# Allegro board pc065c_fibv2_toplevel_13_fix.brd (continued)
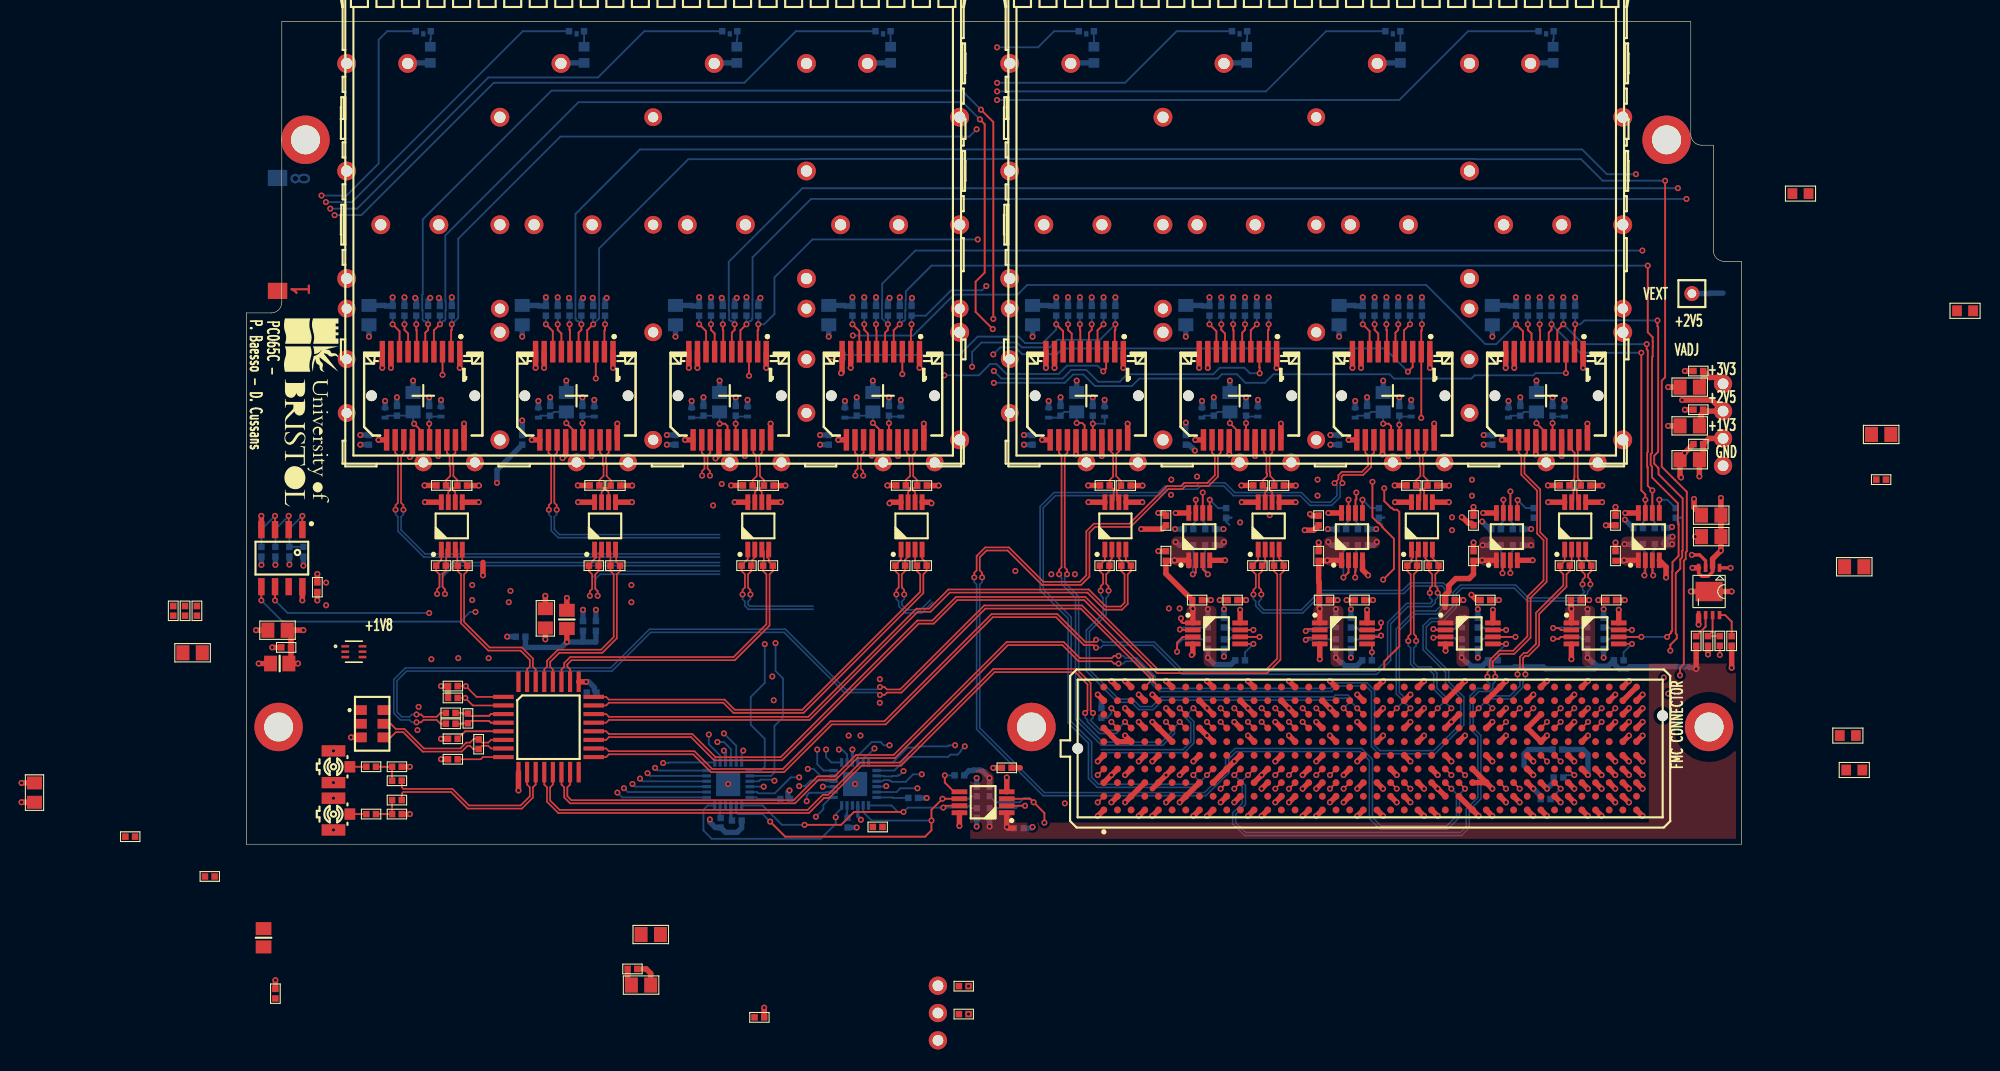
[diagram p0: board, top side]
## Routing (per net, layer and track width the routed paths; a pad name or vN(x,y) marks a point on that pad's centre or on a via; arc(x,y) is an arc through that point) (continued)
  L7_GND w0.5: 137.3,34.16 J40.1 ; J40.1 137.3,36.22 ; J40.1 136.27,35.19 ; J40.1 138.08,35.97 ; J40.1 136.52,34.41 ; J40.1 138.08,34.41 ; J40.1 136.52,35.97 ; 110.39,35.5 SFP2.43 ; SFP2.43 110.64,34.74 ; SFP2.43 111.4,36.51 ; SFP2.43 112.16,36.26 ; SFP2.43 112.16,34.74 ; SFP2.43 110.64,36.26 ; SFP2.43 111.4,34.49 ; SFP2.43 112.41,35.5 ; SFP2.15 88.4,58.66 ; SFP2.15 89.45,57.6 ; SFP2.15 87.6,58.4 ; SFP2.15 89.2,56.8 ; SFP2.15 87.6,56.8 ; SFP2.15 89.2,58.4 ; SFP2.15 87.34,57.6 ; SFP2.15 88.4,56.55 ; 84.22,49.8 SFP2.25 ; SFP2.25 86.23,49.8 ; SFP2.25 85.99,50.56 ; SFP2.25 84.46,50.56 ; SFP2.25 85.22,50.8 ; SFP2.25 85.99,49.04 ; SFP2.25 84.46,49.04 ; SFP2.25 85.22,48.8 ; SFP1.3 29.25,73.66 ; SFP1.3 30.05,73.4 ; SFP1.3 30.05,71.8 ; SFP1.3 28.45,71.8 ; SFP1.3 30.3,72.6 ; SFP1.3 28.2,72.6 ; SFP1.3 28.45,73.4 ; SFP1.3 29.25,71.55 ; SFP1.28 67.09,49.04 ; SFP1.28 65.56,50.56 ; SFP1.28 65.32,49.8 ; SFP1.28 65.56,49.04 ; SFP1.28 67.09,50.56 ; SFP1.28 67.33,49.8 ; SFP1.28 66.33,50.8 ; SFP1.28 66.33,48.8 ; SFP1.35 52.84,39.34 ; SFP1.35 51.07,40.1 ; SFP1.35 53.08,40.1 ; SFP1.35 51.31,40.86 ; SFP1.35 52.08,41.1 ; SFP1.35 52.08,39.09 ; SFP1.35 51.31,39.34 ; SFP1.35 52.84,40.86 ; SFP1.25 24.34,50.56 ; SFP1.25 22.81,49.04 ; SFP1.25 22.81,50.56 ; SFP1.25 24.58,49.8 ; SFP1.25 22.57,49.8 ; SFP1.25 23.57,50.8 ; SFP1.25 24.34,49.04 ; SFP1.25 23.57,48.8 ; 45.6,58.4 SFP1.19 ; SFP1.19 47.2,56.8 ; SFP1.19 46.4,56.55 ; SFP1.19 45.34,57.6 ; SFP1.19 45.6,56.8 ; SFP1.19 47.45,57.6 ; SFP1.19 46.4,58.66 ; SFP1.19 47.2,58.4 ; 9.32,71.55 9.32,72.6 ; 9.32,72.6 8.53,73.4 ; 9.32,72.6 9.32,73.66 ; 9.32,72.6 10.12,71.8 ; 9.32,72.6 10.38,72.6 ; 9.32,72.6 8.27,72.6 ; 9.32,72.6 10.12,73.4 ; 9.32,72.6 8.53,71.8 ; 70.97,39.09 SFP2.34 ; SFP2.34 71.74,40.86 ; SFP2.34 71.98,40.1 ; SFP2.34 71.74,39.34 ; SFP2.34 70.97,41.1 ; SFP2.34 70.21,40.86 ; SFP2.34 70.21,39.34 ; SFP2.34 69.97,40.1 ; SFP2.14 86.02,58.4 ; SFP2.14 86.28,57.6 ; SFP2.14 84.43,56.8 ; SFP2.14 85.22,58.66 ; SFP2.14 84.17,57.6 ; SFP2.14 85.22,56.55 ; SFP2.14 84.43,58.4 ; SFP2.14 86.02,56.8 ; SFP2.18 103.45,58.4 ; SFP2.18 102.65,56.55 ; SFP2.18 103.45,56.8 ; SFP2.18 101.59,57.6 ; SFP2.18 101.85,56.8 ; SFP2.18 102.65,58.66 ; SFP2.18 103.7,57.6 ; SFP2.18 101.85,58.4 ; SFP1.9 67.12,66.8 ; SFP1.9 65.53,66.8 ; SFP1.9 65.53,68.4 ; SFP1.9 67.38,67.6 ; SFP1.9 66.33,68.66 ; SFP1.9 66.33,66.55 ; SFP1.9 67.12,68.4 ; SFP1.9 65.27,67.6 ; 127.18,38.4 SFP2.46 ; SFP2.46 127.97,36.55 ; SFP2.46 128.77,38.4 ; SFP2.46 129.03,37.6 ; SFP2.46 127.18,36.8 ; SFP2.46 127.97,38.66 ; SFP2.46 126.92,37.6 ; SFP2.46 128.77,36.8 ; SFP2.10 71.77,63.4 ; SFP2.10 70.97,61.55 ; SFP2.10 70.18,63.4 ; SFP2.10 71.77,61.8 ; SFP2.10 70.18,61.8 ; SFP2.10 72.03,62.6 ; SFP2.10 70.97,63.66 ; SFP2.10 69.92,62.6 ; SFP1.39 31.46,34.74 ; SFP1.39 29.94,36.26 ; SFP1.39 29.94,34.74 ; SFP1.39 30.7,36.51 ; SFP1.39 30.7,34.49 ; SFP1.39 31.46,36.26 ; SFP1.39 31.7,35.5 ; SFP1.39 29.7,35.5 ; SFP2.20 117.95,57.6 ; SFP2.20 116.9,58.66 ; SFP2.20 115.84,57.6 ; SFP2.20 117.7,56.8 ; SFP2.20 116.9,56.55 ; SFP2.20 116.1,58.4 ; SFP2.20 117.7,58.4 ; SFP2.20 116.1,56.8 ; SFP2.31 99.47,48.6 ; SFP2.31 100.48,47.6 ; SFP2.31 98.47,47.6 ; SFP2.31 99.47,46.59 ; SFP2.31 100.24,48.36 ; SFP2.31 98.71,48.36 ; SFP2.31 98.71,46.84 ; SFP2.31 100.24,46.84 ; 9.32,52.6 10.12,53.4 ; 9.32,52.6 10.38,52.6 ; 9.32,52.6 9.32,51.55 ; 9.32,52.6 8.53,53.4 ; 9.32,52.6 8.53,51.8 ; 9.32,52.6 10.12,51.8 ; 9.32,52.6 9.32,53.66 ; 9.32,52.6 8.27,52.6 ; 112.93,53.4 SFP2.27 ; SFP2.27 113.72,53.66 ; SFP2.27 112.93,51.8 ; SFP2.27 114.52,51.8 ; SFP2.27 114.78,52.6 ; SFP2.27 114.52,53.4 ; SFP2.27 113.72,51.55 ; SFP2.27 112.67,52.6 ; SFP2.7 85.22,68.66 ; SFP2.7 84.17,67.6 ; SFP2.7 84.43,68.4 ; SFP2.7 86.02,68.4 ; SFP2.7 86.02,66.8 ; SFP2.7 84.43,66.8 ; SFP2.7 85.22,66.55 ; SFP2.7 86.28,67.6 ; 120.09,34.74 SFP2.44 ; SFP2.44 120.85,36.51 ; SFP2.44 120.85,34.49 ; SFP2.44 121.61,34.74 ; SFP2.44 121.61,36.26 ; SFP2.44 119.84,35.5 ; SFP2.44 120.09,36.26 ; SFP2.44 121.86,35.5 ; 78.5,57.6 SFP2.13 ; SFP2.13 80.35,56.8 ; SFP2.13 80.35,58.4 ; SFP2.13 79.55,58.66 ; SFP2.13 78.75,56.8 ; SFP2.13 80.61,57.6 ; SFP2.13 79.55,56.55 ; SFP2.13 78.75,58.4 ; 62.99,35.5 SFP1.45 ; SFP1.45 65,35.5 ; SFP1.45 64,34.49 ; SFP1.45 63.24,36.26 ; SFP1.45 64,36.51 ; SFP1.45 64.76,36.26 ; SFP1.45 64.76,34.74 ; SFP1.45 63.24,34.74 ; SFP2.26 113.72,50.8 ; SFP2.26 114.49,49.04 ; SFP2.26 114.49,50.56 ; SFP2.26 113.72,48.8 ; SFP2.26 112.72,49.8 ; SFP2.26 112.96,50.56 ; SFP2.26 114.73,49.8 ; SFP2.26 112.96,49.04 ; SFP2.22 128.77,56.8 ; SFP2.22 129.03,57.6 ; SFP2.22 127.18,58.4 ; SFP2.22 127.97,56.55 ; SFP2.22 128.77,58.4 ; SFP2.22 127.97,58.66 ; SFP2.22 127.18,56.8 ; SFP2.22 126.92,57.6 ; 54.45,56.8 SFP1.20 ; SFP1.20 54.45,58.4 ; SFP1.20 56.05,58.4 ; SFP1.20 55.25,58.66 ; SFP1.20 56.05,56.8 ; SFP1.20 56.3,57.6 ; SFP1.20 54.2,57.6 ; SFP1.20 55.25,56.55 ; SFP2.38 86.02,36.8 ; SFP2.38 84.43,36.8 ; SFP2.38 86.28,37.6 ; SFP2.38 86.02,38.4 ; SFP2.38 85.22,36.55 ; SFP2.38 84.43,38.4 ; SFP2.38 85.22,38.66 ; SFP2.38 84.17,37.6 ; 56.95,73.4 SFP1.6 ; SFP1.6 57.75,73.66 ; SFP1.6 57.75,71.55 ; SFP1.6 58.55,71.8 ; SFP1.6 58.8,72.6 ; SFP1.6 56.7,72.6 ; SFP1.6 58.55,73.4 ; SFP1.6 56.95,71.8 ; SFP2.36 79.11,35.5 ; SFP2.36 77.34,36.26 ; SFP2.36 78.86,34.74 ; SFP2.36 77.34,34.74 ; SFP2.36 78.1,36.51 ; SFP2.36 78.86,36.26 ; SFP2.36 78.1,34.49 ; SFP2.36 77.09,35.5 ; 112.96,40.86 SFP2.35 ; SFP2.35 112.72,40.1 ; SFP2.35 114.49,39.34 ; SFP2.35 113.72,41.1 ; SFP2.35 114.49,40.86 ; SFP2.35 112.96,39.34 ; SFP2.35 113.72,39.09 ; SFP2.35 114.73,40.1 ; 126.92,67.6 SFP2.9 ; SFP2.9 129.03,67.6 ; SFP2.9 127.97,66.55 ; SFP2.9 127.18,68.4 ; SFP2.9 128.77,68.4 ; SFP2.9 128.77,66.8 ; SFP2.9 127.97,68.66 ; SFP2.9 127.18,66.8 ; SFP1.27 52.08,53.66 ; SFP1.27 52.08,51.55 ; SFP1.27 51.02,52.6 ; SFP1.27 52.87,53.4 ; SFP1.27 52.87,51.8 ; SFP1.27 53.13,52.6 ; SFP1.27 51.28,51.8 ; SFP1.27 51.28,53.4 ; 96.14,35.5 SFP2.41 ; SFP2.41 97.15,36.51 ; SFP2.41 97.15,34.49 ; SFP2.41 96.39,34.74 ; SFP2.41 97.91,36.26 ; SFP2.41 97.91,34.74 ; SFP2.41 96.39,36.26 ; SFP2.41 98.16,35.5 ; SFP1.37 22.01,36.26 ; SFP1.37 22.01,34.74 ; SFP1.37 20.49,36.26 ; SFP1.37 20.25,35.5 ; SFP1.37 20.49,34.74 ; SFP1.37 21.25,36.51 ; SFP1.37 22.25,35.5 ; SFP1.37 21.25,34.49 ; 17.9,56.55 SFP1.13 ; SFP1.13 17.1,58.4 ; SFP1.13 17.1,56.8 ; SFP1.13 18.95,57.6 ; SFP1.13 16.84,57.6 ; SFP1.13 18.7,58.4 ; SFP1.13 18.7,56.8 ; SFP1.13 17.9,58.66 ; SFP1.26 52.84,50.56 ; SFP1.26 51.31,50.56 ; SFP1.26 51.31,49.04 ; SFP1.26 51.07,49.8 ; SFP1.26 52.08,48.8 ; SFP1.26 52.84,49.04 ; SFP1.26 52.08,50.8 ; SFP1.26 53.08,49.8 ; 37.83,36.59 SFP1.40 ; SFP1.40 37.06,38.36 ; SFP1.40 37.06,36.84 ; SFP1.40 37.83,38.6 ; SFP1.40 36.82,37.6 ; SFP1.40 38.59,38.36 ; 98.71,66.84 SFP2.8 ; SFP2.8 99.47,68.61 ; SFP2.8 99.47,66.59 ; SFP2.8 98.71,68.36 ; SFP2.8 98.47,67.6 ; SFP2.8 100.48,67.6 ; SFP2.8 100.24,68.36 ; SFP2.8 100.24,66.84 ; 51.02,62.6 SFP1.11 ; SFP1.11 53.13,62.6 ; SFP1.11 51.28,63.4 ; SFP1.11 52.08,61.55 ; SFP1.11 52.87,63.4 ; SFP1.11 51.28,61.8 ; SFP1.11 52.08,63.66 ; SFP1.11 52.87,61.8 ; 8.53,63.4 9.32,62.6 ; 9.32,62.6 8.27,62.6 ; 9.32,62.6 9.32,63.66 ; 9.32,62.6 10.38,62.6 ; 9.32,62.6 10.12,61.8 ; 9.32,62.6 10.12,63.4 ; 9.32,62.6 9.32,61.55 ; 9.32,62.6 8.53,61.8 ; 31.09,57.6 SFP1.16 ; SFP1.16 32.15,58.66 ; SFP1.16 32.95,58.4 ; SFP1.16 33.2,57.6 ; SFP1.16 31.35,58.4 ; SFP1.16 32.95,56.8 ; SFP1.16 31.35,56.8 ; SFP1.16 32.15,56.55 ; 25.95,56.8 SFP1.15 ; SFP1.15 27.55,56.8 ; SFP1.15 26.75,56.55 ; SFP1.15 25.95,58.4 ; SFP1.15 26.75,58.66 ; SFP1.15 27.55,58.4 ; SFP1.15 25.7,57.6 ; SFP1.15 27.8,57.6 ; SFP2.40 100.24,38.36 ; SFP2.40 99.47,38.6 ; SFP2.40 99.47,36.59 ; SFP2.40 98.71,36.84 ; SFP2.40 98.71,38.36 ; SFP2.40 98.47,37.6 ; SFP2.4 106.2,72.6 ; SFP2.4 105.15,73.66 ; SFP2.4 105.95,71.8 ; SFP2.4 104.09,72.6 ; SFP2.4 104.35,71.8 ; SFP2.4 104.35,73.4 ; SFP2.4 105.95,73.4 ; SFP2.4 105.15,71.55 ; SFP1.8 38.59,66.84 ; SFP1.8 37.06,68.36 ; SFP1.8 37.83,68.61 ; SFP1.8 38.83,67.6 ; SFP1.8 38.59,68.36 ; SFP1.8 36.82,67.6 ; SFP1.8 37.83,66.59 ; SFP1.8 37.06,66.84 ; SFP1.42 45.95,35.5 ; SFP1.42 44.19,36.26 ; SFP1.42 44.95,36.51 ; SFP1.42 45.71,36.26 ; SFP1.42 43.95,35.5 ; SFP1.42 44.95,34.49 ; SFP1.42 44.19,34.74 ; SFP1.42 45.71,34.74 ; 73.09,57.6 SFP2.12 ; SFP2.12 74.15,56.55 ; SFP2.12 74.15,58.66 ; SFP2.12 74.95,58.4 ; SFP2.12 73.35,56.8 ; SFP2.12 75.2,57.6 ; SFP2.12 74.95,56.8 ; SFP2.12 73.35,58.4 ; 76.65,71.55 SFP2.2 ; SFP2.2 76.65,73.66 ; SFP2.2 77.7,72.6 ; SFP2.2 77.45,71.8 ; SFP2.2 75.85,73.4 ; SFP2.2 75.59,72.6 ; SFP2.2 77.45,73.4 ; SFP2.2 75.85,71.8 ; 70.21,49.04 SFP2.23 ; SFP2.23 70.21,50.56 ; SFP2.23 71.74,50.56 ; SFP2.23 71.74,49.04 ; SFP2.23 71.98,49.8 ; SFP2.23 70.97,48.8 ; SFP2.23 69.97,49.8 ; SFP2.23 70.97,50.8 ; 66.33,46.55 SFP1.33 ; SFP1.33 67.12,46.8 ; SFP1.33 65.53,48.4 ; SFP1.33 67.38,47.6 ; SFP1.33 65.27,47.6 ; SFP1.33 66.33,48.66 ; SFP1.33 65.53,46.8 ; SFP1.33 67.12,48.4 ; 58.2,35.5 SFP1.44 ; SFP1.44 59.2,34.49 ; SFP1.44 59.2,36.51 ; SFP1.44 59.96,36.26 ; SFP1.44 58.44,36.26 ; SFP1.44 59.96,34.74 ; SFP1.44 60.2,35.5 ; SFP1.44 58.44,34.74 ; 90.1,73.4 SFP2.3 ; SFP2.3 91.7,71.8 ; SFP2.3 89.84,72.6 ; SFP2.3 91.95,72.6 ; SFP2.3 90.1,71.8 ; SFP2.3 91.7,73.4 ; SFP2.3 90.9,73.66 ; SFP2.3 90.9,71.55 ; SFP1.21 61.45,56.8 ; SFP1.21 60.65,56.55 ; SFP1.21 59.85,56.8 ; SFP1.21 59.59,57.6 ; SFP1.21 61.7,57.6 ; SFP1.21 61.45,58.4 ; SFP1.21 59.85,58.4 ; SFP1.21 60.65,58.66 ; 9.32,40.1 10.09,40.86 ; 9.32,40.1 8.56,40.86 ; 9.32,40.1 8.56,39.34 ; 9.32,40.1 10.33,40.1 ; 9.32,40.1 9.32,41.1 ; 9.32,40.1 10.09,39.34 ; 9.32,40.1 8.32,40.1 ; 9.32,40.1 9.32,39.09 ; 113.72,71.55 SFP2.5 ; SFP2.5 112.67,72.6 ; SFP2.5 113.72,73.66 ; SFP2.5 112.93,71.8 ; SFP2.5 114.52,71.8 ; SFP2.5 114.52,73.4 ; SFP2.5 114.78,72.6 ; SFP2.5 112.93,73.4 ; SFP1.41 36.26,34.74 ; SFP1.41 34.49,35.5 ; SFP1.41 36.26,36.26 ; SFP1.41 34.74,34.74 ; SFP1.41 34.74,36.26 ; SFP1.41 35.5,34.49 ; SFP1.41 36.51,35.5 ; SFP1.41 35.5,36.51 ; 107.25,58.4 SFP2.19 ; SFP2.19 107.25,56.8 ; SFP2.19 107,57.6 ; SFP2.19 108.05,58.66 ; SFP2.19 109.11,57.6 ; SFP2.19 108.85,58.4 ; SFP2.19 108.85,56.8 ; SFP2.19 108.05,56.55 ; SFP2.42 107.61,35.5 ; SFP2.42 105.84,36.26 ; SFP2.42 106.6,34.49 ; SFP2.42 105.59,35.5 ; SFP2.42 107.36,36.26 ; SFP2.42 105.84,34.74 ; SFP2.42 107.36,34.74 ; SFP2.42 106.6,36.51 ; 69.92,52.6 SFP2.24 ; SFP2.24 70.97,51.55 ; SFP2.24 70.18,53.4 ; SFP2.24 71.77,53.4 ; SFP2.24 72.03,52.6 ; SFP2.24 71.77,51.8 ; SFP2.24 70.97,53.66 ; SFP2.24 70.18,51.8 ; SFP1.17 38.83,57.6 ; SFP1.17 36.82,57.6 ; SFP1.17 37.83,58.6 ; SFP1.17 37.06,58.36 ; SFP1.17 38.59,56.84 ; SFP1.17 38.59,58.36 ; SFP1.17 37.83,56.59 ; SFP1.17 37.06,56.84 ; 42.7,71.8 SFP1.4 ; SFP1.4 44.3,71.8 ; SFP1.4 42.45,72.6 ; SFP1.4 43.5,71.55 ; SFP1.4 44.3,73.4 ; SFP1.4 43.5,73.66 ; SFP1.4 42.7,73.4 ; SFP1.4 44.55,72.6 ; 9.32,45.1 10.33,45.1 ; 9.32,45.1 8.56,45.86 ; 9.32,45.1 10.09,44.34 ; 9.32,45.1 9.32,44.09 ; 9.32,45.1 8.32,45.1 ; 9.32,45.1 10.09,45.86 ; 9.32,45.1 9.32,46.1 ; 9.32,45.1 8.56,44.34 ; SFP1.31 38.59,48.36 ; SFP1.31 37.83,48.6 ; SFP1.31 36.82,47.6 ; SFP1.31 38.83,47.6 ; SFP1.31 37.06,48.36 ; SFP1.31 37.83,46.59 ; SFP1.31 38.59,46.84 ; SFP1.31 37.06,46.84 ; SFP1.18 41,58.66 ; SFP1.18 41.8,56.8 ; SFP1.18 42.05,57.6 ; SFP1.18 40.2,56.8 ; SFP1.18 40.2,58.4 ; SFP1.18 39.95,57.6 ; SFP1.18 41,56.55 ; SFP1.18 41.8,58.4 ; 66.33,56.55 SFP1.22 ; SFP1.22 65.53,56.8 ; SFP1.22 65.53,58.4 ; SFP1.22 67.12,58.4 ; SFP1.22 67.38,57.6 ; SFP1.22 66.33,58.66 ; SFP1.22 65.27,57.6 ; SFP1.22 67.12,56.8 ; 127.21,50.56 SFP2.28 ; SFP2.28 128.98,49.8 ; SFP2.28 128.74,50.56 ; SFP2.28 127.97,50.8 ; SFP2.28 127.97,48.8 ; SFP2.28 126.97,49.8 ; SFP2.28 128.74,49.04 ; SFP2.28 127.21,49.04 ; 112.67,62.6 SFP2.11 ; SFP2.11 114.78,62.6 ; SFP2.11 114.52,63.4 ; SFP2.11 113.72,63.66 ; SFP2.11 113.72,61.55 ; SFP2.11 112.93,63.4 ; SFP2.11 114.52,61.8 ; SFP2.11 112.93,61.8 ; SFP1.32 53.08,45.1 ; SFP1.32 51.31,44.34 ; SFP1.32 52.08,46.1 ; SFP1.32 52.84,45.86 ; SFP1.32 52.08,44.09 ; SFP1.32 52.84,44.34 ; SFP1.32 51.07,45.1 ; SFP1.32 51.31,45.86 ; 112.96,45.86 SFP2.32 ; SFP2.32 114.49,44.34 ; SFP2.32 112.96,44.34 ; SFP2.32 112.72,45.1 ; SFP2.32 113.72,46.1 ; SFP2.32 113.72,44.09 ; SFP2.32 114.73,45.1 ; SFP2.32 114.49,45.86 ; SFP2.30 85.22,48.66 ; SFP2.30 85.22,46.55 ; SFP2.30 86.02,48.4 ; SFP2.30 86.02,46.8 ; SFP2.30 84.17,47.6 ; SFP2.30 86.28,47.6 ; SFP2.30 84.43,48.4 ; SFP2.30 84.43,46.8 ; 125.65,34.49 SFP2.45 ; SFP2.45 124.64,35.5 ; SFP2.45 126.41,34.74 ; SFP2.45 124.89,34.74 ; SFP2.45 125.65,36.51 ; SFP2.45 126.41,36.26 ; SFP2.45 126.66,35.5 ; SFP2.45 124.89,36.26 ; 9.32,49.8 10.09,50.56 ; 9.32,49.8 10.33,49.8 ; 9.32,49.8 8.56,49.04 ; 9.32,49.8 8.32,49.8 ; 9.32,49.8 8.56,50.56 ; 9.32,49.8 9.32,50.8 ; 9.32,49.8 9.32,48.8 ; 9.32,49.8 10.09,49.04 ; SFP1.30 23.57,48.66 ; SFP1.30 22.78,48.4 ; SFP1.30 24.37,46.8 ; SFP1.30 23.57,46.55 ; SFP1.30 24.37,48.4 ; SFP1.30 24.63,47.6 ; SFP1.30 22.78,46.8 ; SFP1.30 22.52,47.6 ; 51.28,73.4 SFP1.5 ; SFP1.5 53.13,72.6 ; SFP1.5 51.28,71.8 ; SFP1.5 51.02,72.6 ; SFP1.5 52.87,73.4 ; SFP1.5 52.87,71.8 ; SFP1.5 52.08,71.55 ; SFP1.5 52.08,73.66 ; SFP1.43 50.76,35.5 ; SFP1.43 48.99,36.26 ; SFP1.43 48.99,34.74 ; SFP1.43 50.51,36.26 ; SFP1.43 49.75,36.51 ; SFP1.43 48.74,35.5 ; SFP1.43 49.75,34.49 ; SFP1.43 50.51,34.74 ; SFP2.33 127.97,48.66 ; SFP2.33 127.18,46.8 ; SFP2.33 127.18,48.4 ; SFP2.33 126.92,47.6 ; SFP2.33 128.77,48.4 ; SFP2.33 127.97,46.55 ; SFP2.33 128.77,46.8 ; SFP2.33 129.03,47.6 ; SFP2.39 92.35,36.51 ; SFP2.39 91.59,36.26 ; SFP2.39 93.11,34.74 ; SFP2.39 93.11,36.26 ; SFP2.39 93.36,35.5 ; SFP2.39 91.59,34.74 ; SFP2.39 91.34,35.5 ; SFP2.39 92.35,34.49 ; SFP1.38 24.37,36.8 ; SFP1.38 23.57,38.66 ; SFP1.38 22.78,36.8 ; SFP1.38 22.78,38.4 ; SFP1.38 22.52,37.6 ; SFP1.38 23.57,36.55 ; SFP1.38 24.37,38.4 ; SFP1.38 24.63,37.6 ; SFP1.12 12.5,58.66 ; SFP1.12 13.3,58.4 ; SFP1.12 11.7,56.8 ; SFP1.12 12.5,56.55 ; SFP1.12 13.3,56.8 ; SFP1.12 11.7,58.4 ; SFP1.12 13.55,57.6 ; SFP1.12 11.45,57.6 ; 118.6,73.4 SFP2.6 ; SFP2.6 119.4,71.55 ; SFP2.6 119.4,73.66 ; SFP2.6 120.45,72.6 ; SFP2.6 118.34,72.6 ; SFP2.6 120.2,73.4 ; SFP2.6 120.2,71.8 ; SFP2.6 118.6,71.8 ; 15.45,35.5 SFP1.36 ; SFP1.36 15.69,34.74 ; SFP1.36 17.45,35.5 ; SFP1.36 15.69,36.26 ; SFP1.36 17.21,34.74 ; SFP1.36 16.45,36.51 ; SFP1.36 17.21,36.26 ; SFP1.36 16.45,34.49 ; SFP1.46 67.12,36.8 ; SFP1.46 66.33,38.66 ; SFP1.46 65.53,38.4 ; SFP1.46 65.53,36.8 ; SFP1.46 67.38,37.6 ; SFP1.46 65.27,37.6 ; SFP1.46 67.12,38.4 ; SFP1.46 66.33,36.55 ; SFP2.21 123.1,58.4 ; SFP2.21 123.1,56.8 ; SFP2.21 123.36,57.6 ; SFP2.21 121.5,56.8 ; SFP2.21 121.25,57.6 ; SFP2.21 122.3,58.66 ; SFP2.21 121.5,58.4 ; SFP2.21 122.3,56.55 ; SFP1.2 15,73.66 ; SFP1.2 14.2,71.8 ; SFP1.2 15.8,73.4 ; SFP1.2 15.8,71.8 ; SFP1.2 13.95,72.6 ; SFP1.2 15,71.55 ; SFP1.2 16.05,72.6 ; SFP1.2 14.2,73.4 ; 70.97,44.09 SFP2.29 ; SFP2.29 70.97,46.1 ; SFP2.29 70.21,44.34 ; SFP2.29 71.98,45.1 ; SFP2.29 70.21,45.86 ; SFP2.29 71.74,45.86 ; SFP2.29 71.74,44.34 ; SFP2.16 94.6,56.8 ; SFP2.16 92.75,57.6 ; SFP2.16 93.8,56.55 ; SFP2.16 93,56.8 ; SFP2.16 94.6,58.4 ; SFP2.16 94.86,57.6 ; SFP2.16 93.8,58.66 ; SFP2.16 93,58.4 ; 98.47,57.6 SFP2.17 ; SFP2.17 99.47,58.6 ; SFP2.17 100.24,56.84 ; SFP2.17 99.47,56.59 ; SFP2.17 100.24,58.36 ; SFP2.17 100.48,57.6 ; SFP2.17 98.71,58.36 ; SFP2.17 98.71,56.84 ; 22.52,57.6 SFP1.14 ; SFP1.14 24.37,56.8 ; SFP1.14 22.78,58.4 ; SFP1.14 23.57,56.55 ; SFP1.14 22.78,56.8 ; SFP1.14 24.63,57.6 ; SFP1.14 24.37,58.4 ; SFP1.14 23.57,58.66 ; SFP1.7 24.63,67.6 ; SFP1.7 22.78,66.8 ; SFP1.7 22.78,68.4 ; SFP1.7 24.37,68.4 ; SFP1.7 22.52,67.6 ; SFP1.7 24.37,66.8 ; SFP1.7 23.57,66.55 ; SFP1.7 23.57,68.66 ; 81.89,35.5 SFP2.37 ; SFP2.37 83.66,34.74 ; SFP2.37 82.14,34.74 ; SFP2.37 82.9,34.49 ; SFP2.37 82.14,36.26 ; SFP2.37 82.9,36.51 ; SFP2.37 83.91,35.5 ; SFP2.37 83.66,36.26 ; SFP2.1 70.97,73.66 ; SFP2.1 71.77,73.4 ; SFP2.1 72.03,72.6 ; SFP2.1 70.18,73.4 ; SFP2.1 70.18,71.8 ; SFP2.1 71.77,71.8 ; SFP2.1 70.97,71.55 ; SFP2.1 69.92,72.6
  BOTTOM w0.3: IC23.9 44.55,8.55 v1(44.4,8.7) ; IC10.9 v1(56.35,8.8)
  BOTTOM w0.5: R15.1 79.5,13.57 v1(79.16,13.91) ; C59.1 v1(115.05,38.05) ; C63.1 v1(118.45,41.55) ; C49.1 v1(42.5,41.55) ; C69.1 v1(87.35,39.2) ; C54.1 v1(56.75,41.55) ; R32.1 v1(56.75,1.55) ; C11.1 v1(31.3,21.8) ; C62.1 v1(119.95,43.1) ; C65.1 v1(101.6,47.2) ; C66.1 v1(107.2,41.55) ; R64.2 119.45,72.65 SFP2.6 ; C52.1 v1(59.75,41.55) ; R202.2 v1(4,26) ; C70.1 v1(87.35,47.2) ; C64.1 v1(100.8,38.05) ; SFP1.4 43.55,72.65 R58.2 ; R60.2 76.7,72.65 SFP2.2 ; SFP1.2 15.05,72.65 R30.2 ; C9.1 32.36,14.29 32.36,14.57 31.83,15.1 v1(31.6,15.1) ; R20.1 121.55,5.78 v1(120.93,5.16) ; C32.1 v1(11.4,47.2) ; R204.2 v1(2.7,25.97) ; C61.1 v1(121.45,41.55) ; R16.1 120.35,4.47 v1(119.66,5.16) ; R33.2 29.3,72.65 SFP1.3 ; C75.1 v1(73.1,47.2) ; C35.1 v1(14,41.55) ; C76.1 v1(78.7,41.55) ; C48.1 v1(44,43.1) ; C71.1 v1(92.95,41.55) ; R61.2 90.95,72.65 SFP2.3 ; C73.1 v1(89.95,41.55) ; C51.1 v1(54.15,47.2) ; C43.1 v1(29.75,43.1) ; R31.1 v1(63.26,4.3) ; SFP1.6 57.8,72.65 R59.2 ; C14.1 v1(32.5,21.8) ; C68.1 v1(104.2,41.55) ; C67.1 v1(105.7,43.1) ; C60.1 v1(115.85,47.2) ; C34.1 v1(15.5,43.1) ; C46.1 v1(39.9,47.2) ; C41.1 v1(25.65,47.2) ; C45.1 v1(39.09,38.05) ; SFP2.4 105.2,72.65 R63.2 ; C42.1 v1(31.25,41.55) ; C13.1 v1(24.25,19.3) ; C47.1 v1(45.5,41.55) ; C50.1 v1(53.34,38.05) ; C72.1 v1(91.45,43.1) ; C98.1 46.05,1.51 45.64,1.1 44.55,1.1 R181.1 43.6,1.55 43.1,2.05 v1(43.1,2.3) ; C77.1 v1(77.2,43.1) ; C79.1 73,1.5 v1(73.1,1.6) ; C31.1 v1(10.6,38.05) ; C40.1 v1(25.65,39.4) ; C53.1 v1(58.25,43.1) ; C33.1 v1(17,41.55) ; C44.1 v1(28.25,41.55) ; C74.1 v1(72.3,38.05) ; C78.1 v1(75.7,41.55) ; R203.2 v1(1.4,25.97)
  vias: v1(7.42,24.32) v1(7.42,22.22) v1(8.1,8.68) v1(8.1,5.72) v1(8.1,4.28) v1(8.1,1.32) v1(21,24.1) v1(21,22.7) v1(24.4,22.5) v1(24.56,23.55) v1(35.8,24.1) v1(35.8,22.5) v1(44.8,5.6) v1(48.9,15.6) v1(49.03,13.38) v1(56.6,5.6) v1(58.9,15.34) v1(58.9,13.15) v1(74.84,25.1) v1(76.1,3.8) v1(77.03,25.1) v1(86,33.9) v1(85.97,32.49) v1(92.4,29.92) v1(95.15,30.59) v1(99.6,33.9) v1(99.59,32.41) v1(113.95,33.89) v1(113.95,32.4)
P1V3: length 40
  TOP w0.3: U11.2 136.32,25.32 135.91,24.91 135.32,24.91 135.03,25.2 U11.4
  TOP w0.5: R107.2 v1(106.77,33.36) ; J40.2 135.98,37.73 C36.2 135.45,36.1 C37.2 v1(135.1,34.2) ; R42.2 v1(45.06,33.36) ; R43.2 v1(50.12,33.35) ; R34.2 v1(30.82,33.36) ; R100.2 v1(126.08,33.35) ; R22.2 v1(16.57,33.36) ; R35.2 v1(35.88,33.35) ; v1(137.1,32.2) C100.2 C99.2 v1(137.1,27.3) 136.32,26.52 U11.2 ; R99.2 v1(121.02,33.36) ; R51.2 v1(64.38,33.35) ; R50.2 v1(59.6,33.36) ; R116.2 v1(97.58,33.35) ; R23.2 v1(21.62,33.35) ; R124.2 v1(83.33,33.35) ; R115.2 v1(92.52,33.36) ; R108.2 v1(111.83,33.35) ; R123.2 v1(78.27,33.36) ; U11.4 v1(134.45,25.7)
  L5_PWR w0.5: J40.2 138.08,38.51 ; J40.2 137.3,38.76 ; J40.2 136.52,36.95 ; J40.2 138.08,36.95 ; J40.2 136.27,37.73 ; J40.2 137.3,36.7 ; J40.2 136.52,38.51
  vias: v1(15.91,10.61) v1(16.02,12.77) v1(56,10.1) v1(57.1,10.1) v1(85.78,21.93) v1(86.78,21.93) v1(112.1,30.39) v1(112.1,29.2) v1(132.2,14)
